# Altium PCB UltraZOhm_CarrierBoard.PcbDoc (part 12 of 12)
Units mm, origin at the board's own origin, x right, y up, seen from the top; angles counter-clockwise.
Board outline 350 x 128 mm, 6 copper layers (Top Layer, L02_GND, L03_Sig, L04_Sig, L05_VCC, Bottom Layer), stack 2.021 mm thick; 851 components, 1243 nets, 4332 pads, 2446 vias.
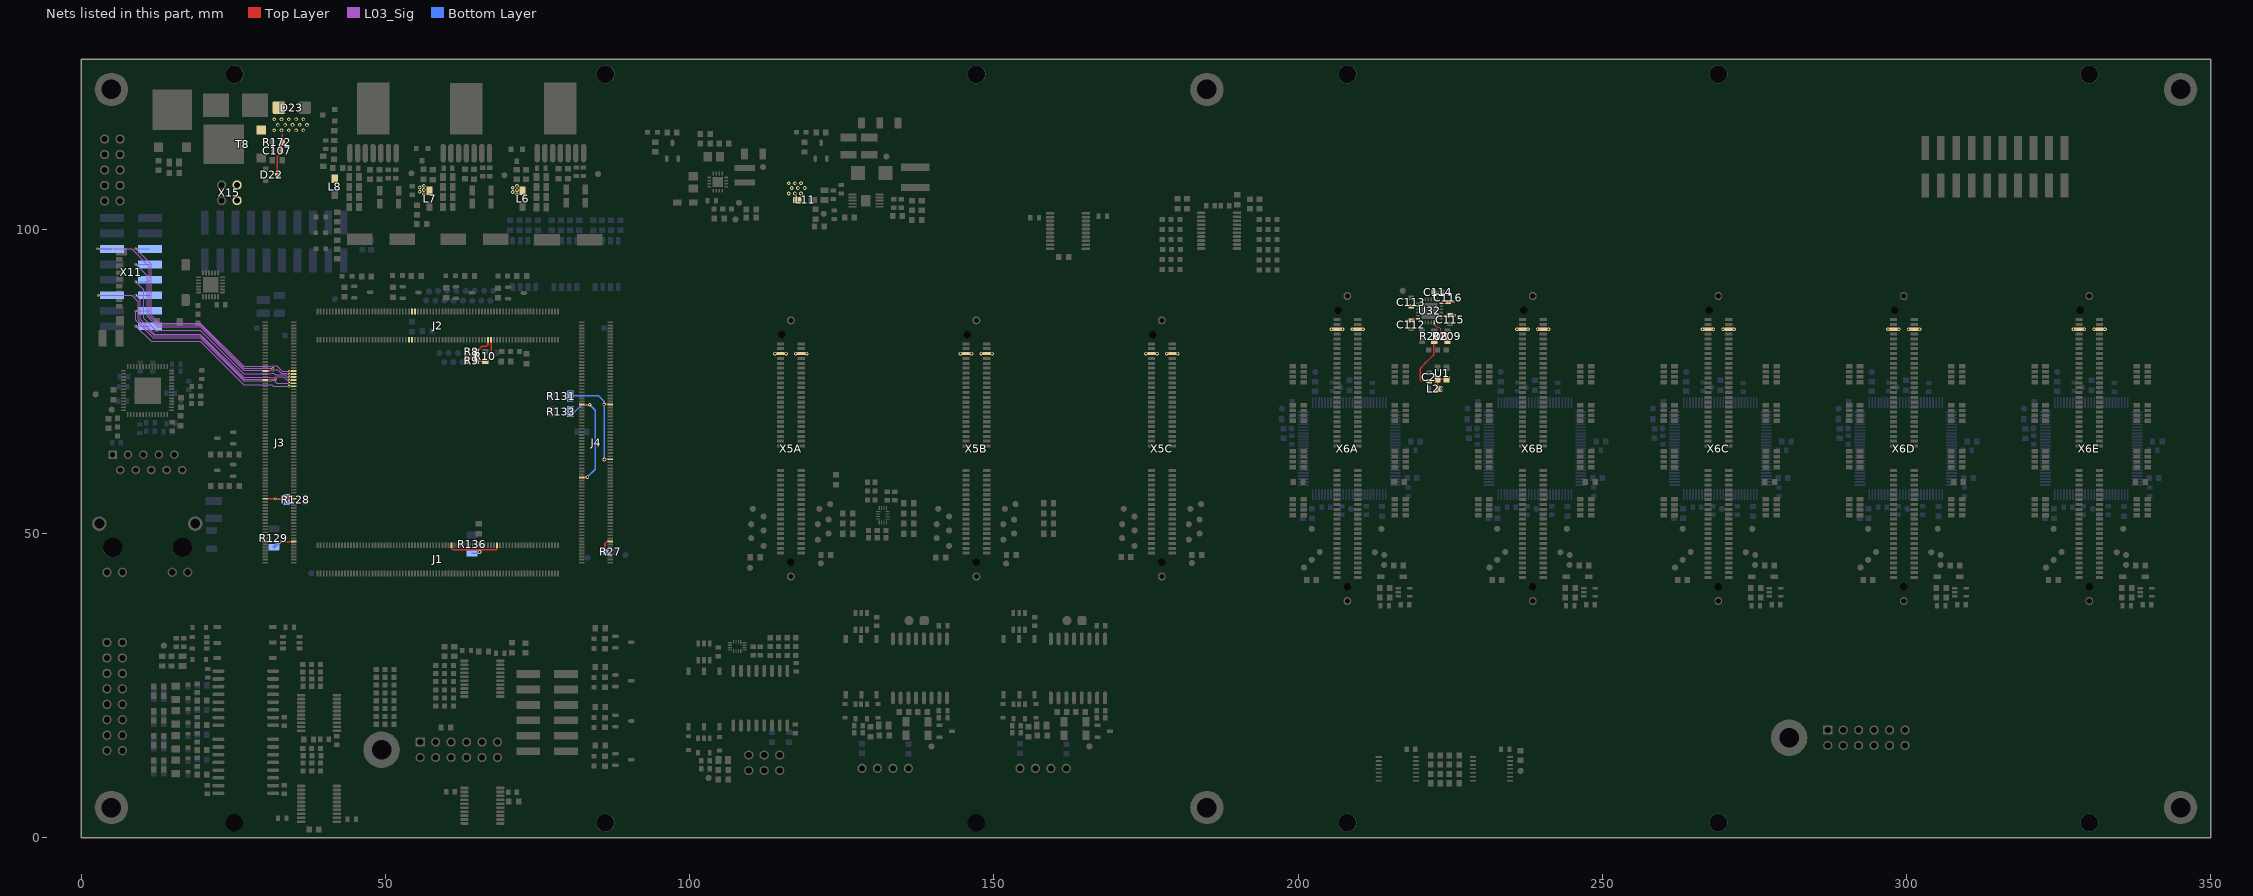
[diagram p16: the nets of this part, all layers, seen from the top]

## Via types
v1: diameter 0.4, hole 0.2, Top Layer to Bottom Layer, tented bottom, 866 vias
v2: diameter 0.4, hole 0.2, Top Layer to Bottom Layer, tented both sides, 783 vias
v3: diameter 0.6, hole 0.3, Top Layer to Bottom Layer, tented both sides, 508 vias
v4: diameter 0.6, hole 0.3, Top Layer to Bottom Layer, tented bottom, 276 vias
v5: diameter 0.5, hole 0.2, Top Layer to Bottom Layer, tented bottom, 5 vias
v6: diameter 0.5, hole 0.3, Top Layer to Bottom Layer, tented bottom, 5 vias
v7: diameter 1, hole 0.5, Top Layer to Bottom Layer, tented bottom, 2 vias
v8: diameter 0.4, hole 0.2, Top Layer to Bottom Layer, 1 vias

## Nets (pads, with @x,y where several pads share a name; then routed paths per layer and width w, separated by ;. In a path a pad name is that pad's centre, name@x,y a point inside that pad or via, vN(x,y) a via of type N, cw(c..) or ccw(c..) an arc to the next point about the centre after c; other vN are vias at no path point) (continued)
USB0_DATA1: J3.128 X11.14 | length 45.5
  Top Layer w0.1: J3.128@30.287,76.736 31.036,76.736 v1(31.5,77.2)
  L03_Sig w0.1: v2(2.7,96.8) 8.3,96.8 11.2,93.9 11.2,85.8 12.7,84.3 19.6,84.3 26.7,77.2 v1(31.5,77.2)
  Bottom Layer w0.1: v2(2.7,96.8) 2.71,96.79 X11.14@5.106,96.79
USB0_DATA2: J3.122 X11.11 | length 40.8
  Top Layer w0.1: J3.122@30.287,75.236 30.451,75.4 v1(32,75.4)
  L03_Sig w0.1: v2(2.8,89.2) 8.3,89.2 9.4,88.1 9.4,85.1 12,82.5 19.6,82.5 26.7,75.4 v1(32,75.4)
  Bottom Layer w0.1: v2(2.8,89.2) 2.83,89.17 X11.11@5.106,89.17
USB0_DATA3: J3.119 X11.2 | length 34.2
  Top Layer w0.1: v2(34.2,74.7) 34.921,74.7 J3.119@34.957,74.736
  L03_Sig w0.1: v2(9,86.6) 9,85.1 11.9,82.2 19.6,82.2 26.7,75.1 31.3,75.1 31.4,75.2 31.7,75.2 32.2,74.7 v2(34.2,74.7)
  Bottom Layer w0.1: v2(9,86.6) 9.03,86.63 X11.2@11.329,86.63
USB0_DATA4: J3.121 X11.3 | length 36.2
  Top Layer w0.1: v2(34.2,75.2) 34.921,75.2 J3.121@34.957,75.236
  L03_Sig w0.1: v2(8.97,89.17) 9.7,88.44 9.7,85.2 12.1,82.8 19.6,82.8 26.7,75.7 31.2,75.7 31.3,75.6 31.7,75.6 31.9,75.8 33.3,75.8 33.9,75.2 v2(34.2,75.2)
  Bottom Layer w0.1: v2(8.97,89.17) X11.3@11.329,89.17
USB0_DATA5: J3.123 X11.4 | length 37.8
  Top Layer w0.1: v2(34.2,75.7) 34.921,75.7 J3.123@34.957,75.736
  L03_Sig w0.1: v2(9,91.4) 10.3,90.1 10.3,85.4 12.3,83.4 19.6,83.4 26.7,76.3 31.2,76.3 31.3,76.4 31.7,76.4 32,76.1 33.5,76.1 33.9,75.7 v2(34.2,75.7)
  Bottom Layer w0.1: v2(9,91.4) 11.019,91.4 X11.4@11.329,91.71
USB0_DATA6: J3.125 X11.5 | length 39.9
  Top Layer w0.1: v2(34.2,76.2) 34.921,76.2 J3.125@34.957,76.236
  L03_Sig w0.1: v2(9,94.3) 10.9,92.4 10.9,85.7 12.6,84 19.6,84 26.7,76.9 31.2,76.9 31.3,76.8 31.705,76.8 31.855,76.95 32.35,76.95 32.9,76.4 33.7,76.4 33.9,76.2 v2(34.2,76.2)
  Bottom Layer w0.1: v2(9,94.3) 9.05,94.25 X11.5@11.329,94.25
USB0_DATA7: J3.127 X11.6 | length 41.6
  Top Layer w0.1: v2(34.2,76.7) 34.236,76.736 J3.127@34.957,76.736
  L03_Sig w0.1: v2(9,96.8) 11.5,94.3 11.5,85.9 12.8,84.6 19.6,84.6 26.7,77.5 31.2,77.5 31.3,77.6 32.2,77.6 33.1,76.7 v2(34.2,76.7)
  Bottom Layer w0.1: v2(9,96.8) 9.01,96.79 X11.6@11.329,96.79
USB0_STP: J3.117 X11.1 | length 32.4
  Top Layer w0.1: v2(34.2,74.2) 34.236,74.236 J3.117@34.957,74.236
  L03_Sig w0.1: v2(9,84.1) 11.5,81.6 19.6,81.6 26.7,74.5 31.3,74.5 31.6,74.2 v2(34.2,74.2)
  Bottom Layer w0.1: v2(9,84.1) 9.01,84.09 X11.1@11.329,84.09
USB3_RXUP_N: J2.64
USB3_RXUP_P: J2.66
USB3_TXUP_N: J2.61
USB3_TXUP_P: J2.63
V_N: J2.115 R9.1 R10.2 | length 5.4
  Top Layer w0.254: R9.1@64.982,78.381 66.369,78.381 R10.2@66.416,78.333 67.372,79.289 J2.115@67.372,81.851
V_P: J2.113 R8.1 R9.2 | length 5.4
  Top Layer w0.254: R9.2@63.382,78.381 64.88,79.88 R8.1@64.982,79.88 65.902,80.8 66.6,80.8 66.872,81.072 J2.113@66.872,81.851
VCCO_47: J3.43 J3.44 R128.2 | length 6.6
  Top Layer w0.254: J3.44@30.287,55.736 30.301,55.75 v1(31.9,55.75) ; v1@31.9,55.736 J3.43@34.957,55.736
  Bottom Layer w0.254: v1(31.9,55.75) 33.651,55.75 R128.2@33.791,55.61
VCCO_48: J3.15 J3.16 R129.2 | length 6
  Top Layer w0.254: J3.16@30.287,48.736 30.323,48.7 v4(32.6,48.7) 34.921,48.7 J3.15@34.957,48.736
  Bottom Layer w0.254: v4@32.589,48.7 v4(32.6,48.7)
  Bottom Layer w0.5: R129.2@31.679,47.791 v4@32.589,48.7
VCCO_64: J4.58 J4.106 R133.2 | length 18.7
  Top Layer w0.254: J4.58@82.287,59.236 83.136,59.236 v3(83.2,59.3) ; J4.106@82.287,71.236 82.323,71.2 v4(83.6,71.2)
  Bottom Layer w0.254: R133.2@80.407,70.069 81.169,70.069 82.3,71.2 v4(83.6,71.2) 84.5,70.3 84.5,60.6 v3(83.2,59.3)
VCCO_65: J4.69 J4.105 R131.2 | length 17.5
  Top Layer w0.254: v4(85.95,71.25) 86.943,71.25 J4.105@86.957,71.236 ; v4(86,62.2) 86.036,62.236 J4.69@86.957,62.236
  Bottom Layer w0.254: R131.2@80.407,72.605 80.502,72.7 85,72.7 85.95,71.75 v4(85.95,71.25) 85.95,62.25 v4(86,62.2)
VCCO_66: J1.90 J1.120 R136.2 | length 10.4
  Top Layer w0.254: J1.90@60.872,48.121 60.872,47.628 61.1,47.4 65.5,47.4 ; v4(65.5,47) 65.5,47.4 ; J1.120@68.372,48.121 68.35,48.099 68.35,47.55 68.2,47.4 65.5,47.4
  Bottom Layer w0.254: R136.2@64.245,46.791 65.291,46.791 v4(65.5,47)
VDD: C2.2 C112.1 C113.2 C114.1 C115.1 C116.2 L2.1 R208.1 R209.1 U1.1 U1.4 U32.2 U32.6 U32.8 U32.14 U32.18 U32.23 | length 31.5
  Top Layer w0.2: v1(217.7,87.425) 217.751,87.374 C113.2@218.553,87.374 218.578,87.349 U32.14@219.704,87.349 ; v1(217.8,85.025) 217.824,85.049 C112.1@218.603,85.049 218.903,85.349 U32.18@219.704,85.349 ; 220.866,77.965 220.866,78.219 ; C114.1@222.343,89.747 C114.1@222.301,89.706 ; U32.23@222.354,84.699 222.354,84.371 222.7,84.025 223.025,84.025 223.4,83.65 223.4,82.3 ; U32.8@222.354,88.499 222.301,88.551 C114.1@222.301,89.706 ; R208.1@222.37,81.651 222.751,81.651 223.4,82.3 ; v1(222.95,89.625) 222.869,89.706 C114.1@222.301,89.706 ; v1(223.425,81.9) 223.4,81.925 223.4,82.3 ; U32.2@223.504,85.849 224.957,85.849 C115.1@225.007,85.899 v1@225.724,85.899 ; U32.6@223.504,87.849 224.481,87.849 C116.2@224.706,88.074 225.574,88.074 v1(225.6,88.1) ; R209.1@224.519,81.651 224.049,81.651 223.4,82.3
  Top Layer w0.254: R208.1@222.37,81.651 222.249,81.651 222.249,79.349 220.866,77.965 220.066,77.165 220.066,75.282 220.214,75.133 221.489,75.133 C2.2@221.579,75.043 222.559,75.043 U1.4@222.894,75.379 ; v2(223.5,73.5) 223.233,73.767 L2.1@223.233,73.783 ; v2(223.525,74.075) L2.1@223.233,73.783 ; U1.1@224.394,75.379 U1.4@222.894,75.379 ; U1.4@222.894,75.379 222.933,75.34 L2.1@222.933,73.783 L2.1@223.233,73.783
  other v1: 225.725,85.9
VIN: C107.1 D22.3 D23.1 L6.1 L7.1 L8.1 L11.1 R172.2 T8.3 X5A.5 X5A.6 X5B.5 X5B.6 X5C.5 X5C.6 X6A.5 X6A.6 X6B.5 X6B.6 X6C.5 X6C.6 X6D.5 X6D.6 X6E.5 X6E.6 X15.3 X15.4 | length 35.8
  Top Layer w0.254: D22.3@32.348,108.96 32.242,109.067 32.242,111.984 32.924,112.666 C107.1@32.924,112.951 33.058,113.085 R172.2@33.058,114.3 33.058,115.568 33.042,115.584
  Top Layer w0.5: v3(114.04,79.6) X5A.5@114.94,79.6 v3(115.84,79.6) ; v3(117.44,79.6) X5A.6@118.34,79.6 v3(119.24,79.6) ; v3(144.52,79.6) X5B.5@145.42,79.6 v3(146.32,79.6) ; v3(147.92,79.6) X5B.6@148.82,79.6 v3(149.72,79.6) ; v3(175,79.6) X5C.5@175.9,79.6 v3(176.8,79.6) ; v3(178.4,79.6) X5C.6@179.3,79.6 v3(180.2,79.6) ; v3(205.48,83.6) X6A.5@206.38,83.6 v3(207.28,83.6) ; v3(208.88,83.6) X6A.6@209.78,83.6 v3(210.68,83.6) ; v3(235.96,83.6) X6B.5@236.86,83.6 v3(237.76,83.6) ; v3(239.36,83.6) X6B.6@240.26,83.6 v3(241.16,83.6) ; v3(266.44,83.6) X6C.5@267.34,83.6 v3(268.24,83.6) ; v3(269.84,83.6) X6C.6@270.74,83.6 v3(271.64,83.6) ; v3(296.92,83.6) X6D.5@297.82,83.6 v3(298.72,83.6) ; v3(300.32,83.6) X6D.6@301.22,83.6 v3(302.12,83.6) ; v3(327.4,83.6) X6E.5@328.3,83.6 v3(329.2,83.6) ; v3(330.8,83.6) X6E.6@331.7,83.6 v3(332.6,83.6)
  other v3: 71.632,105.758 56.335,105.78 70.932,106.158 55.635,106.18 71.632,106.458 56.335,106.48 70.932,106.858 55.635,106.88 56.335,107.18
  other v4: 116.3,105.9 117.3,105.9 118.3,105.9 116.8,106.8 117.8,106.8 118.9,106.8 71.632,107.158 116.3,107.6 117.3,107.6 118.3,107.6 31.742,116.284 32.942,116.284 34.142,116.284 35.342,116.284 36.542,116.284 32.342,117.184 33.542,117.184 34.742,117.184 35.942,117.184 37.142,117.184 31.742,118.084 32.942,118.084 34.142,118.084 35.342,118.084 36.542,118.084
VREF_65: J4.15 R27.2 | length 3.8
  Top Layer w0.254: v2(85.3,47.1) 85.7,47.1 86.1,47.5 86.1,48.4 86.436,48.736 J4.15@86.957,48.736
  Bottom Layer w0.254: v2(85.3,47.1) 85.386,47.014 R27.2@86.252,47.014
pads on no net: D8.2 D9.2 D13.2 D22.2 J1.91 J1.121 J2.4 J2.6 J2.19 J2.21 J2.22 J2.24 J2.52 J2.54 J2.73 J2.75 J2.76 J2.78 J2.129 J2.130 J2.131 J2.132 J2.133 J2.134 J2.136 J3.84 J3.149 J3.150 J4.155 J4.156 J4.157 J4.158 J4.159 J4.160 MH1.hole MH2.hole MH3.hole MH4.hole MH5.hole MH6.hole R1.2 R26.2 R27.1 U2.1 U2.2 U2.4 U2.5 U2.29 U2.31 U2.32 U2.33 U5A.1 U5B.1 U5C.1 U5D.1 U5E.1 U6A.4 U6A.5 U6A.7 U6A.10 U6A.11 U6A.14 U6B.4 U6B.5 U6B.7 U6B.10 U6B.11 U6B.14 U9A.6 U9B.6 U13.8 U13.10 U13.12 U13.13 U13.14 U13.15 U13.17 U13.25 U21.6 U22.17@104.623,107.782 U29.6 X1.3 X1.7 X1.9 X1.11 X4.MH1 X4.MH2 X5A.MH1 X5A.MH2 X5B.MH1 X5B.MH2 X5C.MH1 X5C.MH2 X6A.MH1 X6A.MH2 X6B.MH1 X6B.MH2 X6C.MH1 X6C.MH2 X6D.MH1 X6D.MH2 X6E.MH1 X6E.MH2 X8.9 X9.2 X9.3 X9.11 X9.14 X9.16 X9.17 X9.19

## Polygon pours and split planes (outlines as drawn)
GND on Top Layer "GND_Plane_L01" (solid, pour order 83): 0,128 0,42.5 25.949,42.5 26.14,42.5 30.556,38.084 30.556,0 92,0 92,26.365 118.11,26.365 118.11,31.572 177,31.572 177,0 350,0 350,128
GND_ISOGPIO on Top Layer "GND_ISO_GPIO_TOP" (solid, pour order 68): 0,35 23.5,35 23.5,0 0,0
GND_ISOCANB on Top Layer "GND_ISO_CANB_TOP" (solid, pour order 66): 151,24.1 170,24.1 170,0 151,0
GND_ISOCANA on Top Layer "GND_ISO_CANA_TOP" (solid, pour order 65): 125,24.1 144,24.1 144,0 125,0
GND_ISOSPI on Top Layer "GND_ISO_SPI_TOP" (solid, pour order 67): 99,19 118,19 118,0 99,0
NetC121_1 on Top Layer "PowerConnector_Plane" (solid, pour order 73): 2.5,116 2.5,111 8,111 8,103.5 19.5,103.5 19.5,116
GND on Top Layer "GND_L01_P055" (solid, pour order 55): 42.435,125.88 42.435,114.88 85.835,114.88 85.835,125.88
GND on Top Layer "TPS54260_GND" (solid, pour order 52): 126.405,103.205 126.2,103 126.2,101.4 126.002,101.202 124.998,101.202 124.8,101.4 124.8,102.4 124.6,102.6 123,102.6 122.798,102.398 122.798,99.805 129.91,99.805 129.91,105.012 132.45,105.012 132.958,104.504 135.244,104.504 135.625,104.504 135.879,104.25 137.276,104.25 137.276,105.266 137.022,105.52 136.895,105.52 129.91,105.52 129.91,106.028 130.545,106.663 130.545,110.727 131.307,111.362 130.672,111.362 130.799,111.362 131.307,111.362 131.307,113.394 130.926,113.648 127.243,113.648 124.576,113.648 124.195,113.394 124.195,111.362 123.56,110.6 120.4,110.6 120.4,105.9 124.195,105.9 124.195,108.06 125.846,108.06 125.973,108.06 126.735,107.298 128.005,106.028 128.005,105.52 128.005,103.615 127.595,103.205
NetC92_2 on Top Layer "TPS54260_VOUT" (solid, pour order 53): 124.195,114.029 124.195,116.315 137.185,116.315 139.943,113.557 139.943,109.076 134.228,109.076 134.228,111.108 131.307,114.029
GND on Top Layer "TPS62097_GND" (solid, pour order 54): 104,109.686 103.214,109.686 102.8,109.273 102.8,107.806 98.541,107.806 98.541,110.6 100.741,112.8 103.8,112.8 103.8,110.8 104,110.6
GND on Bottom Layer "GND_plane_BOT" (solid, pour order 84): 0,128 0,42.5 25.949,42.5 30.365,38.084 30.556,38.084 30.556,0 92,0 92,26.365 118.11,26.365 118.11,31.572 177,31.572 177,0 350,0 350,128
GND_ISOSPI on Bottom Layer "BOT_GND_ISOSPI" (solid, pour order 72): 99,19 118,19 118,0 99,0
GND_ISOCANB on Bottom Layer "BOT_GND_ISOCANB" (solid, pour order 71): 151,24 170,24 170,0 151,0
GND_ISOCANA on Bottom Layer "BOT_GND_ISOCANA" (solid, pour order 70): 125,24 144,24 144,0 125,0
GND_ISOGPIO on Bottom Layer "BOT_GND_ISOGPIO" (solid, pour order 69): 0,35.052 23.571,35.052 23.571,0 0,0
GND on Bottom Layer "GND_L06_P056" (solid, pour order 56): 42.435,125.88 42.435,114.88 85.835,114.88 85.835,125.88
GND on L02_GND "GND_Plane" (solid, pour order 74): 0,128 0,42.5 25.949,42.5 30.556,38.084 30.556,0 92,0 92,26.365 118.11,26.365 118.11,31.572 177,31.572 177,0 350,0 350,128
GND_ISOGPIO on L02_GND "ISO_GPIO_GND" (solid, pour order 57): 0,35.052 0,0 23.571,0 23.571,35.052
GND_ISOSPI on L02_GND "ISO_SPI_GND" (solid, pour order 59): 99,0 99,19.5 118,19.5 118,0
GND_ISOCANA on L02_GND "ISO_CAN1_GND" (solid, pour order 62): 125,25 125,0 144,0 144,25
GND_ISOCANB on L02_GND "ISO_CAN2_GND" (solid, pour order 60): 151,25 151,0 170,0 170,25
3V3_PER on L05_VCC "3V3_PER_Plane" (solid, pour order 80): 30.556,0 30.556,38.084 25.949,42.5 0,42.5 0,128 350,128 350,120 350,0 196.8,0 196.8,47.7 328.5,47.7 328.5,75.25 323.5,75.25 323.5,53.75 298,53.75 298,75.25 293,75.25 293,53.75 267.4,53.75 267.4,75.25 262.5,75.25 262.5,53.75 237,53.75 237,75.25 232,75.25 232,53.75 206.5,53.75 206.5,75.25 201.5,75.25 201.5,53.75 113.25,53.75 113.25,77.487 139.192,103.429 139.192,120 113.4,120 101.2,107.8 69.514,107.8 69.714,97.114 66.35,93.75 26.1,93.75 26.1,50.4 27.1,49.4 34.1,49.4 46.3,37.2 99.6,37.2 99.6,47.7 118.11,47.7 196.8,47.7 196.8,0 177,0 177,31.572 118.11,31.572 118.11,26.365 92,26.365 92,0
1V8_PER on L05_VCC "1V8_PER_Plane" (solid, pour order 81): 127.75,120 127.75,105.75 99.6,77.6 99.6,47.75 328.5,47.75 328.5,75.25 323.5,75.25 323.5,53.75 298,53.75 298,75.25 293,75.25 293,53.75 267.4,53.75 267.4,75.25 262.5,75.25 262.5,53.75 237,53.75 237,75.25 232,75.25 232,53.75 206.5,53.75 206.5,75.25 201.5,75.25 201.5,53.75 113.25,53.75 113.25,77.5 139.25,103.5 139.25,120
VDD on L05_VCC "VDD_Plane" (solid, pour order 77): 217,90 217,74.65 222.025,74.65 222.025,72.943 227,72.943 227,90
3V3_MOD on L05_VCC "3V3_MOD_Plane" (solid, pour order 78): 27,90 27,82 27,81 27,77 67,77 67,46 83,46 83,67 75,67 75,77 85.1,77 85.1,107 69.9,107 69.9,96.4 66.5,93 27,93
3V3_ISOGPIO on L05_VCC "ISO_GPIO_VCC" (solid, pour order 58): 0,35.052 0,0 23.571,0 23.571,35.052
1V8_MOD on L05_VCC "1V8_MOD_Plane" (solid, pour order 79): 76,76 76,68 84,68 84,45 66,45 66,52 66,57.5 30,57.5 30,51.1 34.9,51.1 47.3,38.7 97.6,38.7 97.6,77.4 126.95,106.75 126.95,115.75 127.6,116.4 127.6,119 113.7,119 101.7,107 85.5,107 85.5,76
3V3_ISOSPI on L05_VCC "ISO_SPI_VCC" (solid, pour order 61): 99,0 99,19 118,19 118,0
5V_ISOCANA on L05_VCC "ISO_CAN1_VCC" (solid, pour order 63): 125,25 125,0 125.051,-0.051 143.949,-0.051 144,0 144,25
5V_ISOCANB on L05_VCC "ISO_CAN2_VCC" (solid, pour order 64): 151,25 151,0 170,0 170,25
5V_PER on L04_Sig "5V_PER_Plane" (solid, pour order 76): 30.5,106.9 30.5,93.8 60,93.8 92,93.8 92,75 98.438,68.562 195.362,68.562 201.8,75 321,75 321,80 333.3,80 333.3,82.5 182.5,82.5 182.5,79 182.5,78.5 115,78.5 115,117 77,117 77,114 77,104.6 54.2,104.6 54.2,106.9
VIN on L04_Sig "VIN_Plane" (solid, pour order 75): 21.5,107.6 21.5,128 350,128 350,83.2 182,83.2 182,79.2 115.5,79.2 115.5,92.5 115.5,117.5 77,117.5 76.5,117.5 76.5,114.5 76.5,105 54.5,105 54.5,107.6
1V8_PER on L03_Sig "1V8_PER_Plane_L03" (solid, pour order 82): 177,31.572 118.11,31.572 118.11,26.365 92,26.365 92,0 30.556,0 30.556,38.084 26.14,42.5 25.949,42.5 0,42.5 0,80.75 19.25,80.75 26.5,73.5 35,73.5 35,77 33.75,78.25 27.5,78.25 27,78.25 26,79.25 20,85.25 18.25,85.25 13.25,85.25 12.25,86.25 12.25,94.75 9.75,97.25 9.5,97.5 0,97.5 0,128 350,128 350,83.25 350,83.2 204.5,83.2 204.5,100.3 204.5,100.9 190.4,100.9 190.4,92 76.2,92 76.2,55.9 81.6,50.5 113.8,50.5 113.8,40.876 177,40.976

## Other copper
Top Layer:
  region net NetF1_2: 11.75,123 24,123 24.5,122.5 24.5,118.5 20.5,118.5 18.275,116.275 11.75,116.275
  region net VIN: 57.735,107.08 56.935,107.08 56.535,107.48 55.235,107.48 55.235,105.38 56.635,105.38 56.935,105.68 57.735,105.68
  region net NetL10_1: 106.502,108.661 106.502,106.883 106.909,106.883 107.264,107.239 110.769,107.239 110.769,108.229 107.366,108.229 106.934,108.661
  region net NetC85_1: 102.8,107.7 99.4,107.7 99.4,104.3 99.8,103.9 101.4,103.9 102.3,104.8 102.3,105.4 104.1,105.4 104.1,105.9 102.8,105.9
  region net NetC86_1: 104.3,112.8 104.3,111.1 105.7,111.1 107.3,110.592 107.3,109.5 110.8,109.5 110.8,113.4 108.1,113.4 107.5,112.8
  region net NetC88_1: 130.9,110.5 130.9,106.562 130.926,106.536 130.5,106.11 130.5,105.6 132.1,105.6 132.7,106.2 139.6,106.2 139.6,107.7 134.9,107.7 133.5,109.1 133.5,110.5
  region net GND: 130.5,105.4 130.5,105 132.4,105 132.9,104.5 135.6,104.5 135.9,104.2 137.2,104.2 137.2,106 132.7,106 132.1,105.4
  region net NetC89_1: 127.5,105.4 119.5,105.4 119.5,104.2 124.7,104.2 125.5,105 127.5,105
  region net VIN: 31.6,121.5 31.5,121.4 31.5,118.3 31.1,117.9 29.3,117.9 28.6,117.2 28.6,115.3 34.1,115.3 34.4,115 34.4,107.4 29.3,107.4 27.6,108.6 24.4,108.6 24.4,103.7 26.629,103.7 29.3,104.8 40.1,104.8 40.1,107.6 42.2,107.6 42.2,109 39.3,109 38.7,109.6 38.7,117.1 37.1,118.7 35.8,118.7 35.2,119.3 35.2,121.4 35.1,121.5
  region net NetF1_1: 25.442,122.384 25.342,122.284 25.342,118.584 24.642,117.884 20.442,117.884 20.1,117.542 20.1,110.7 28.242,110.7 28.242,117.384 29.042,118.184 30.842,118.184 30.842,122.384
  region net NetC61_1: 44.635,114.08 44.635,102.98 42.835,102.98 42.835,104.78 41.035,104.78 41.035,107.18 42.335,107.18 42.6,107.445 42.6,114.08
  pour cut-out: 7.685,77.445 6.995,76.755 7,70.259 7.685,69.565 14.185,69.565 14.875,70.255 14.875,76.755 14.185,77.445
  region net GND: 45.135,109.38 45.135,101.58 43.635,100.08 43.635,97.28 48.835,97.28 49.035,97.48 49.035,102.08 49.935,102.98 49.935,107.48 48.535,107.48 46.835,107.48 46.735,107.58 46.735,109.38
  pour cut-out: 53.735,114.68 53.735,102.78 42.835,102.78 42.835,104.38 42.435,104.78 42.535,104.88 42.535,114.68
  region net 5V_PER: 51.335,114.08 51.335,110.78 51.435,110.68 52.335,110.68 52.335,107.38 51.435,107.38 51.435,102.28 50.585,101.43 50.585,97.28 55.135,97.28 55.135,99.361 53.635,100.761 53.635,114.08
  region net NetC51_1: 60.035,114.08 60.035,102.98 58.235,102.98 56.435,102.98 56.435,104.7 57.755,104.7 59,105.945 59,114.08
  pour cut-out: 69.035,114.68 69.035,102.78 56.435,102.78 56.435,105.08 57.835,105.08 57.835,114.68
  region net 3V3_PER: 66.635,114.08 66.635,110.78 66.735,110.68 67.835,110.68 67.835,107.38 66.735,107.38 66.735,102.28 65.885,101.43 65.885,97.28 70.435,97.28 70.435,100.76 68.935,102.16 68.935,114.08
  region net GND: 60.535,109.38 60.535,101.58 59.035,100.08 59.035,97.28 64.235,97.28 64.435,97.48 64.435,102.08 65.335,102.98 65.335,107.48 63.935,107.48 62.235,107.48 62.135,107.58 62.135,109.38
  pour cut-out: 84.435,114.68 84.435,102.78 71.835,102.78 71.835,105.08 73.235,105.08 73.235,114.68
  region net NetC41_1: 75.435,114.08 75.435,102.98 73.635,102.98 71.835,102.98 71.835,105.08 73.535,105.08 74.035,105.58 74.035,114.08
  region net GND: 75.935,109.38 75.935,101.58 74.435,100.08 74.435,97.28 79.635,97.28 79.835,97.48 79.835,102.08 80.735,102.98 80.735,107.48 79.335,107.48 77.635,107.48 77.535,107.58 77.535,109.38
  region net 3V3_MOD: 82.035,114.08 82.035,110.78 82.135,110.68 83.235,110.68 83.235,107.38 82.135,107.38 82.135,102.28 81.285,101.43 81.285,97.28 85.835,97.28 85.835,100.76 84.335,102.16 84.335,114.08
  region net VIN: 118.5,104.2 115.5,104.2 115.5,108 119.4,108 119.4,106.2 118.5,105.3
  region net 1V8_PER: 130.507,116.561 131.98,116.561 133.2,116.561 133.2,119.75 129.1,119.75 129.1,116.561
  region net 1V8_MOD: 128.8,116.561 124.739,116.561 124.739,119.75 128.8,119.75
  region net 1V8_MOD: 111.4,113.4 111.4,111.5 112.5,111.5 113.3,110.7 115,110.7 115,114.4 113.5,114.4 112.5,113.4
  region net 5V_PER: 98.8,106 98.8,103 94.5,103 94.5,106
  region net VIN: 73.032,107.058 72.232,107.058 71.832,107.458 70.532,107.458 70.532,105.358 71.932,105.358 72.232,105.658 73.032,105.658
  pour cut-out: 86.8,44.9 86.8,85.1 86.5,85.4 79.8,85.4 78.8,86.4 30.5,86.4 30.5,44.9
L02_GND:
  pour cut-out: 1.702,8.23 1.702,1.753 8.306,1.753 8.306,8.23
Multi-Layer:
  pour cut-out: 5,64.3 4,63.3 4,61.6 6.1,59.5 14.5,59.5 16.4,61.4 16.4,63.3 15.4,64.3
  pour cut-out: 125,0 118,0 118,19.558 99,19.558 99,0 92,0 92,26.365 118.11,26.365 118.11,31.572 177,31.572 177,0 170,0 170,24.13 151,24.13 151,0 144,0 144,24.13 125,24.13
  pour cut-out: 0,42.5 25.949,42.5 30.556,38.084 30.556,0 23.571,0 23.571,35.052 0,35.052

## Silkscreen, mask and mechanical layers (free items; w line width, h text height)
Top Overlay:
  lines w0.152: 0,35.052 14.427,35.052 ; 0,42.5 2.21,42.5 ; 19.685,42.494 25.949,42.5 30.556,38.084 30.556,35.687 ; 23.571,0 23.571,6.248 ; 30.556,0.178 30.556,6.172 ; 91.999,10.16 92,0 ; 94.336,26.365 98.603,26.365 118.11,26.365 118.11,31.572 124.562,31.572 177,31.572 177,0 ; 99,0 99.009,8.103 ; 99,19.558 118,19.558 118.008,16.612 ; 117.983,13.462 118,0 ; 125,0 125,12.065 ; 125,24.13 144,24.13 143.993,21.158 ; 144,0 144,17.907 ; 151,0 151,12.065 ; 151.003,21.692 151,24.13 170,24.13 170.002,21.184 ; 169.977,17.628 170,0
  lines w0.254: 29.86,98.17 41.319,98.17 ; 29.86,100.77 41.319,100.77 ; 41.319,95.431 29.86,95.431 29.86,103.359 41.319,103.359 ; 41.354,95.411 41.354,103.339 ; 115.686,119.236 115.686,119.486 115.7,119.5 142.102,119.5 142.102,99.424 115.686,99.424 ; 115.686,99.424 115.686,119.5 91.81,119.5 91.81,99.424 115.686,99.424 ; 83.112,10.847 83.112,16.181 93.941,16.181 93.941,10.847 83.112,10.847 ; 83.112,17.197 93.941,17.197 93.941,22.531 83.112,22.531 83.112,17.197 ; 83.112,23.801 93.941,23.801 93.941,29.135 83.112,29.135 83.112,23.801 ; 83.112,30.151 93.941,30.151 93.941,35.485 83.112,35.485 83.112,30.151
  lines w0.5: 336.051,82.45 336.051,113.441 347.481,113.441 347.481,82.45 336.051,82.45
  text "5V_PER" at 45.478,125.897 h1.5
  text "3V3_PER" at 60.378,125.897 h1.5
  text "3V3_MOD" at 75.578,125.897 h1.5
  text "1V8_MOD" at 92.443,117.617 h2
  text "1V8_PER" at 116.243,117.617 h2
  text "5V_PER" at 31.218,101.125 h1.02
  text "3V3_PER" at 30.218,98.525 h1.02
  text "3V3_MOD" at 30.218,95.925 h1.02
  text "A1" at 105.75,85 h5
  text "A2" at 136.45,85 h5
  text "A3" at 166.95,85 h5
  text "D1" at 197.45,85 h5
  text "D2" at 227.6,85 h5
  text "D3" at 258.45,85 h5
  text "D4" at 288.75,85 h5
  text "D5" at 319.15,85 h5
  text "CAN_TX" at 136.622,36.649 h1.52 r45
  text "CAN_RX" at 139.154,36.649 h1.52 r45
  text "CAN_TX" at 162.403,36.655 h1.52 r45
  text "CAN_RX" at 164.943,36.655 h1.52 r45
  text "LED4" at 93.433,30.405 h1.14 r90
  text "LED3" at 93.433,23.801 h1.14 r90
  text "e" at 339.3,20.9 h10
  text "Serial-Nr." at 340.09,19.265 h1.5
  text "LED2" at 93.433,17.705 h1.14 r90
  text "LED1" at 93.433,10.847 h1.14 r90
  text "UltraZohm_CarrierBoard / Rev. .ProjectRevision / Initial layout by .AuthorParam / Revision by .RevisionBy  / 06/2020" at 303.2,9.8 h2.3
  text "SPI" at 99.243,8.917 h1.5
  text "CAN1" at 139.743,8.917 h1.5
  text "CAN2" at 165.743,8.917 h1.5
  text "GPIO" at 11.243,8.417 h1.5
Bottom Overlay:
  lines w0.5: 90,94.3 98,94.3
  text "ON" at 96.5,95 h4
  text "OFF" at 97.4,91.1 h4
Mechanical 1:
  the board outline again, w0.1
M2 Board Dimensions:
  text "(2.40 inch)" at 61.492,-3.714 h1.52
  text "(1.20 inch)" at 130.292,-6.514 h1.52
M5 Assembly Top:
  text "UltraZohm_CarrierBoard / Rev. .ProjectRevision / Initial layout by .AuthorParam / Revision by .RevisionBy  / 06/2020" at 303.2,9.8 h2.3

## Dimensions
116.64,42.95 to 147.12,42.95 on M2 Board Dimensions
0,0 to 116.64,42.95 on M2 Board Dimensions
0,0 to 345,5 on M2 Board Dimensions
25.2,2.5 to 86.16,2.5 on M2 Board Dimensions
0,0 to 185,5 on M2 Board Dimensions
0,0 to 5,5 on M2 Board Dimensions
0,0 to 5,123 on M2 Board Dimensions
0,0 to 5,5 on M2 Board Dimensions
0,0 to 0,128 on M2 Board Dimensions
0,0 to 350,0 on M2 Board Dimensions

## Text inside footprints (layer, text, board x,y; h text height)
J1: M5 Assembly Top "1" at 38.623,44.161 h0.6; M5 Assembly Top "2" at 38.473,46.936 h0.6; M5 Assembly Top "159" at 78.073,44.186 h0.6; M5 Assembly Top "160" at 78.073,46.761 h0.6
J2: M5 Assembly Top "160" at 78.373,85.361 h0.6; M5 Assembly Top "159" at 78.273,82.686 h0.6; M5 Assembly Top "2" at 38.373,85.336 h0.6; M5 Assembly Top "1" at 38.623,82.661 h0.6
J3: M5 Assembly Top "1" at 34.331,45.059 h0.6 r90; M5 Assembly Top "2" at 31.456,45.009 h0.6 r90; M5 Assembly Top "159" at 34.406,84.809 h0.6 r90; M5 Assembly Top "160" at 31.331,84.809 h0.6 r90
J4: M5 Assembly Top "160" at 83.431,84.609 h0.6 r90; M5 Assembly Top "159" at 86.306,84.509 h0.6 r90; M5 Assembly Top "2" at 83.456,45.109 h0.6 r90; M5 Assembly Top "1" at 86.331,45.259 h0.6 r90
Serial1: M5 Assembly Top "SerialNr" at 344.703,18.003 h0.7 r270
X1: M5 Assembly Top "1" at 286.652,17.469 h1; M5 Assembly Top "2" at 286.652,14.469 h1; M5 Assembly Top "12" at 298.612,14.469 h1; M5 Assembly Top "11" at 298.612,17.469 h1
X8: M5 Assembly Top "11" at 67.316,15.497 h1; M5 Assembly Top "12" at 67.316,12.497 h1; M5 Assembly Top "2" at 55.356,12.497 h1; M5 Assembly Top "1" at 55.356,15.497 h1